# Allegro board BeagleBoard-X15_RevA2.brd (continued)
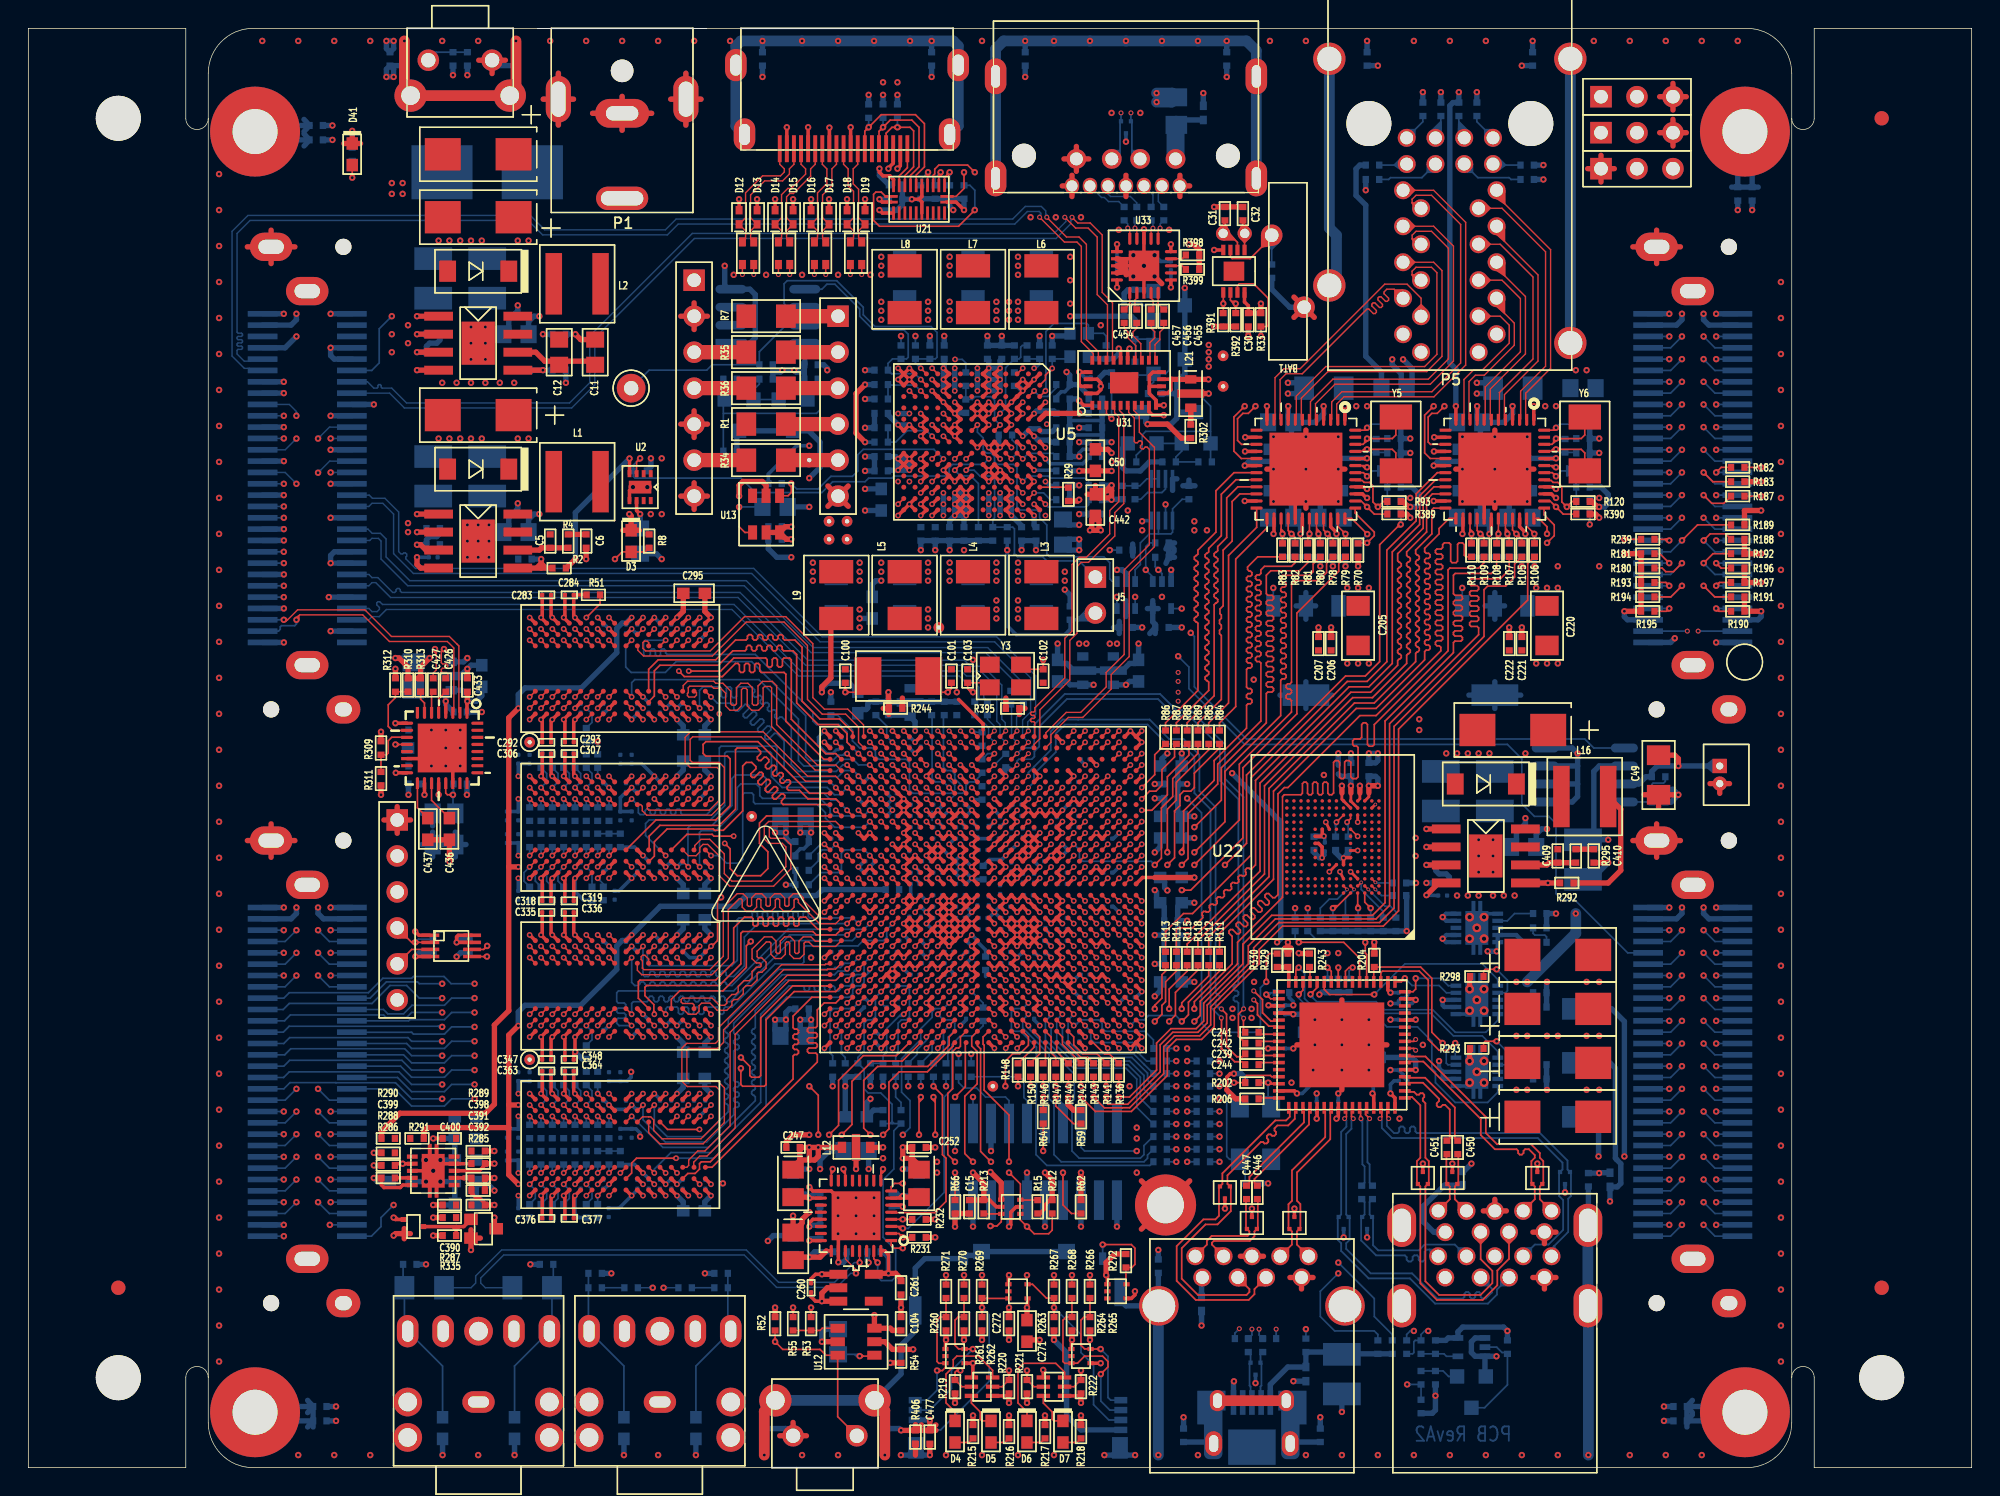
[diagram p0: board, top side]
## Nets (continued)
GND: BAT1.2(-) C2.2 C3.2 C4.2 C5.1 C6.2 C8.2 C9.2 C10.2 C12.2 C13.2 C14.2 C15.2 C16.1 C17.1 C18.1 C19.1 C20.1 C21.1 C22.1 C23.2 C24.1 C25.1 C26.1 C27.1 C28.1 C29.1 C30.2 C31.2 C32.2 C33.2 C34.2 C35.2 C36.2 C37.2 C38.2 C39.2 C40.2 C41.2 C42.2 C43.2 C44.2 C45.2 C46.2 C47.2 C48.2 C49.2 C50.2 C51.2 C52.1 C53.2 C54.2 C55.1 C56.1 C57.2 C58.1 C59.2 C60.1 C61.2 C62.1 C63.2 C64.2 C65.2 C66.1 C67.1 C68.2 C69.2 C70.2 C71.1 C72.1 C73.2 C74.2 C75.2 C76.2 C77.2 C78.1 C79.2 C80.2 C81.2 C82.2 C83.2 C84.2 C85.2 C86.2 C87.2 C88.1 C89.1 C90.2 C91.2 C92.1 C93.2 C94.2 C95.1 C96.1 C97.2 C98.1 C99.2 C104.2 C105.2 C108.2 C109.2 C110.2 C111.2 C112.2 C113.2 C114.2 C115.2 C116.2 C117.2 C118.2 C119.2 C120.2 C121.2 C122.2 C123.2 C124.2 C125.2 C126.2 C127.2 C128.2 C129.2 C130.2 C131.2 C132.2 C133.2 C134.2 C135.2 C136.2 C137.2 C138.2 C139.2 C140.2 C141.1 C142.2 C143.1 C144.2 C145.1 C146.2 C147.1 C148.2 C149.1 C150.2 C151.1 C152.2 C153.1 C154.2 C155.1 C156.2 C157.2 C158.2 C159.2 C160.2 C161.2 C162.2 C163.2 C164.2 C165.2 C166.2 C167.2 C168.2 C169.2 C170.2 C171.2 C172.2 C173.2 C174.2 C175.2 C176.2 C177.2 C178.2 C179.2 C180.2 C181.2 C182.2 C183.2 C184.2 C185.2 C186.2 C187.2 C188.2 C189.2 C190.2 C191.2 C192.2 C193.2 C194.2 C195.2 C196.2 C197.2 C198.2 C199.2 C200.2 C201.2 C202.2 C203.2 C204.2 C205.2 C206.2 C207.2 C208.2 C209.1 C210.2 C211.2 C212.2 C213.1 C214.2 C215.1 C216.1 C217.1 C218.1 C219.2 C220.2 C221.2 C222.1 C223.2 C224.1 C225.1 C226.2 C227.2 C228.1 C229.2 C230.1 C231.1 C232.1 C233.1 C234.2 C235.2 C236.2 C237.2 C238.2 C240.2 C243.2 C245.2 C246.2 C252.2 C253.2 C254.2 C257.2 C258.2 C259.2 C260.2 C261.2 C262.2 C263.1 C264.2 C265.2 C266.2 C267.1 C268.2 C269.2 C270.1 C271.2 C272.1 C273.2 C274.1 C275.2 C276.2 C279.2 C280.2 C283.2 C284.2 C285.2 C286.2 C287.2 C288.2 C289.2 C290.1 C291.2 C292.2 C293.2 C294.2 C295.2 C300.2 C301.2 C302.2 C303.2 C304.2 C305.2 C306.2 C307.2 C308.2 C309.2 C310.2 C311.2 C312.2 C315.2 C316.2 C317.1 C318.1 C319.2 C320.2 C321.2 C322.2 C323.2 C324.2 C325.2 C326.2 C327.2 C335.2 C336.2 C337.2 C338.2 C339.2 C340.2 C341.2 C344.2 C345.2 C346.2 C347.2 C348.2 C349.2 C350.2 C354.2 C355.2 C356.2 C357.2 C359.2 C360.2 C361.2 C363.2 C364.2 C365.2 C366.2 C367.2 C368.2 C369.2 C373.2 C374.2 C375.2 C376.2 C377.2 C378.2 C381.2 C382.2 C383.2 C384.2 C385.2 C386.2 C387.2 C389.2 C390.2 C391.2 C392.2 C393.2 C394.2 C395.2 C396.2 C397.2 C398.2 C399.2 C400.2 C402.2 C403.2 C404.2 C405.2 C406.2 C407.2 C408.2 C409.1 C410.2 C411.2 C412.2 C413.2 C414.2 C415.1 C419.2 C421.2 C428.2 C429.2 C430.2 C431.2 C432.2 C433.2 C434.2 C435.2 C436.2 C437.2 C438.2 C439.2 C440.2 C441.1 C442.2 C443.2 C445.2 C452.2 C453.2 C470.2 C471.2 C472.1 C473.1 C474.1 C475.1 C477.1 C478.2 C479.2 C481.2 C482.2 C483.2 C484.2 C485.2 C486.2 C487.2 C488.2 C489.2 C490.2 C491.2 C492.2 C493.2 C494.2 C495.2 C496.2 C497.2 C498.2 C499.2 C500.1 D1.2(ANODE) D2.2(ANODE) D3.1(C) D12.2(G) D13.2(G) D14.2(G) D15.2(G) D16.2(G) D17.2(G) D18.2(G) D19.2(G) D20.4(GND) D21.4(GND) D22.4(GND) D23.4(GND) D24.2(ANODE) D25.3(GND) D26.3(GND) D27.3(GND) D28.3(GND) D29.3(GND) D30.3(GND) D31.3(GND) D32.3(GND) D33.3(GND) D34.2(GND) D35.2(GND) D36.2(GND) D37.2(GND) D38.3(GND) D40.3(GND) D41.1(C) D42.2(GND) FB9.1 J1.2 J3.3 J4.3 J6.1 L10.2 L11.2 L12.2 L21.2 L22.2 L24.2 MH5.1(TP) P1.2 P1.MTG1 P1.MTG2 P2.7 P3.6 P4.4(TDIS) P4.8(GND.1) P4.10(GND.2) P4.12(GND.3) P4.16(GND.4) P4.20(GND.5) P5.10 P5.20 P6.4(GND1) P6.5(GND2) P6.8(GND3) P6.11(GND4) P7.5(G1) P10.1 P11.2(D2 SHIELD) P11.5(D1 SHIELD) P11.8(D0 SHIELD) P11.11(CK SHIELD) P11.17(GND) P12.6(VSS) P13.4(GND) P13.7(GNDD) P15.4(GND0) P15.7(GNDD0) P15.13(GND1) P15.16(GNDD1) P16.1 P16.2 P16.28 P16.30 P16.31 P16.32 P16.58 P16.60 P16.A2 P17.1 P17.2 P17.31 P17.32 P17.A2 P18.1 P18.2 P18.31 P18.32 P18.A2 P19.1 P19.4 P19.5 P19.9 P19.10 P19.13 P19.16 P19.19 P19.22 P19.23 P19.26 P19.29 P19.31 P19.32 P19.34 P19.37 P19.38 P19.41 P19.44 P19.47 P19.50 P19.51 P19.54 P19.57 P19.60 P19.A2 Q3.1(4) Q3.4 Q4.1(4) Q4.4 Q5.2(SOURCE) Q6.2(SOURCE) Q7.2(S) R5.1 R6.2 R11.2 R12.2 R14.1 R21.2 R22.2 R24.2 R26.2 R27.2 R28.1 R43.2 R47.2 R49.2 R50.2 R51.2 R54.1 R58.2 R66.2 R72.1 R73.1 R91.2 R92.1 R100.1 R116.2 R119.1 R180.2 R181.2 R183.2 R188.2 R190.2 R191.2 R192.2 R193.2 R194.2 R195.2 R200.1 R203.2 R205.2 R206.1 R207.1 R209.1 R219.2 R220.2 R221.2 R222.2 R231.2 R232.2 R236.2 R244.2 R274.2 R275.2 R276.2 R277.2 R278.2 R287.1 R293.1 R296.1 R297.2 R298.2 R299.2 R300.1 R311.2 R312.2 R319.1 R323.1 R328.2 R329.1 R331.1 R332.1 R333.2 R334.2 R384.2 R385.1 R386.1 R387.1 R395.2 R397.2 R400.1 R401.1 R402.1 R403.1 R404.2 R406.1 R410.2 R411.2 R416.2 R417.2 R421.2 R422.2 S1.1(A) S2.1(A) U1.7(GND) U1.9(PAD) U2.5(GND) U2.9(PWR_PAD) U3.7(GND) U3.9(PAD) U4.2(GND) U4.4(ADD0) U5.A1(SUB_GND_A1) U5.A4(REFGND1) U5.A7(GNDANA) U5.A13(SUB_GND_A13) U5.B2(GPADC_IN0) U5.B8(SYNC_TO_EXCLOCK) U5.B10(SUB_GND_B10) U5.B11(SUB_GND_B11) U5.C2(GPADC_IN1) U5.C3(GPADC_IN2) U5.C12(SMPS12_FBK_GND) U5.D4(SMPS7_GND_1) U5.D5(SMPS7_GND_2) U5.D6(SUB_GND_D6) U5.D7(SUB_GND_D7) U5.D10(SMPS1_GND_1) U5.E4(SMPS7_GND_3) U5.E7(VAC/ACOK) U5.E8(SUB_GND_E8) U5.E9(SMPS1_GND_2) U5.E10(SMPS1_GND_3) U5.F4(SMPS4_GND_1) U5.F5(AGND.1) U5.F6(SUB_GND_F6) U5.F7(SUB_GND_F7) U5.F9(SMPS2_GND_1) U5.F10(SMPS2_GND_2) U5.G4(SMPS4_GND_2) U5.G5(SMPS4_GND_3) U5.G7(SUB_GND_G7) U5.G10(SMPS2_GND_3) U5.H4(SMPS5_GND_1) U5.H5(SMPS5_GND_2) U5.H6(SUB_GND_H6) U5.H7(SUB_GND_H7) U5.H10(SMPS3_GND_1) U5.J4(SMPS5_GND_3) U5.J6(SUB_GND_J6) U5.J9(SMPS3_GND_2) U5.J10(SMPS3_GND_3) U5.K3(SMPS45_FDBK_GND) U5.L5(SMPS6_GND) U5.L6(SMPS6_GND_1) U5.L7(SMPS9_GND) U5.L8(SMPS9_GND_1) U5.L9(SMPS8_GND_1) U5.L10(SMPS8_GND) U5.M1(SUB_GND_M1) U5.M2(SUB_GND_M2) U5.M12(GND_DIG) U5.M13(AGND.2) U5.N1(SUB_GND_N1) U5.N2(VIO_GND) U5.N13(SUB_GND_N13) U6.4(VSS) U7.14(GND.1) U7.22(GND.2) U7.33(PWR_PAD) U8.1(A0) U8.2(A1) U8.3(NC) U8.4(VSS) U9.2(GND) U10.3(GND) U11.A1(VSS.9) U11.A2(VSS.11) U11.A6(VSS.15) U11.A14(VSS.41) U11.A23(VSS.68) U11.A28(VSS.79) U11.AA8(VSS.17) U11.AA9(VSS.19) U11.AA10(VSS.14) U11.AA11(VSSA_USB.2) U11.AA14(VSS.48) U11.AA15(VSS.51) U11.AA20(VSS.61) U11.AB11(VSSA_USB.1) U11.AB14(VSS.40) U11.AB20(VSS.60) U11.AD1(VSS.3) U11.AD10(VSSA_USB3) U11.AD13(VSSA_PCIE.1) U11.AD19(VSSA_HDMI.2) U11.AD24(VSS.70) U11.AE10(VSSA_SATA) U11.AE13(VSSA_PCIE.2) U11.AE19(VSSA_HDMI.1) U11.AG1(VSS.2) U11.AH1(VSS.1) U11.AH2(VSS.10) U11.AH8(VSS.53) U11.AH20(VSS.52) U11.AH28(VSS.75) U11.B1(VSS.8) U11.D13(VSS.39) U11.D19(VSS.59) U11.E13(VSS.38) U11.E19(VSS.58) U11.F1(VSS.7) U11.F7(VSS.54) U11.G7(VSS.57) U11.G8(VSS.65) U11.G9(VSS.66) U11.H12(VSS.33) U11.J12(VSS.32) U11.J15(VSS.XX) U11.J28(VSS.78) U11.K1(VSS.6) U11.K4(VSS.12) U11.K5(VSS.13) U11.K15(VSS.28) U11.K24(VSS.55) U11.K25(VSS.56) U11.L13(VSS.37) U11.L14(VSS.46) U11.M19(VSS.69) U11.N14(VSS.X5) U11.N15(VSS.16) U11.N19(VSS.18) U11.N24(VSS.72) U11.N25(VSS.74) U11.P28(VSS.77) U11.R1(VSS.5) U11.R12(VSS.29) U11.R13(VSS.X6) U11.R15(VSS.43) U11.R21(VSS.64) U11.T10(VSS.21) U11.T11(VSS.26) U11.T12(VSS.23) U11.T14(VSS.X7) U11.T15(VSS.42) U11.T17(VSS.47) U11.T18(VSS.24) U11.T21(VSS.27) U11.U14(VSSA_VIDEO) U11.U15(VSS.X8) U11.U17(VSS.X9) U11.U20(VSS.62) U11.U21(VSS.63) U11.V15(VSS.30) U11.V17(VSS.X10) U11.W1(VSS.4) U11.W15(VSS.36) U11.W24(VSS.71) U11.W25(VSS.73) U11.W28(VSS.76) U12.2(GND) U13.2(GND) U14.29(VSS) U14.49(P_GND) U15.29(VSS) U15.49(P_GND) U16.6(GND) U16.11(PAD) U17.65(PAD) U18.6(DVSS) U18.21(DRVSS) U19.2(GND) U19.3(ENN) U20.1(1\O\E\) U20.4(GND) U21.5(GND1) U21.13(GND2) U21.18(GND3) U22.C4(VSSQ4) U22.E7(VSS2) U22.G5(VSS1) U22.H10(VSS3) U22.K8(VSS4) U22.N2(VSSQ1) U22.N5(VSS5) U22.P4(VSSQ3) U22.P6(VSSQ2) U23.A9(VSS.1) U23.B1(VSSQ.1) U23.B3(VSS.2) U23.B9(VSSQ.2) U23.D1(VSSQ.3) U23.D8(VSSQ.4) U23.E1(VSS.3) U23.E2(VSSQ.5) U23.E8(VSSQ.6) U23.F9(VSSQ.7) U23.G1(VSSQ.8) U23.G8(VSS.4) U23.G9(VSSQ.9) U23.J2(VSSDL) U23.J8(VSS.5) U23.M1(VSS.6) U23.M9(VSS.7) U23.P1(VSS.8) U23.P9(VSS.9) U23.T1(VSS.10) U23.T9(VSS.11) U24.A9(VSS.1) U24.B1(VSSQ.1) U24.B3(VSS.2) U24.B9(VSSQ.2) U24.D1(VSSQ.3) U24.D8(VSSQ.4) U24.E1(VSS.3) U24.E2(VSSQ.5) U24.E8(VSSQ.6) U24.F9(VSSQ.7) U24.G1(VSSQ.8) U24.G8(VSS.4) U24.G9(VSSQ.9) U24.J2(VSSDL) U24.J8(VSS.5) U24.M1(VSS.6) U24.M9(VSS.7) U24.P1(VSS.8) U24.P9(VSS.9) U24.T1(VSS.10) U24.T9(VSS.11) U25.A9(VSS.1) U25.B1(VSSQ.1) U25.B3(VSS.2) U25.B9(VSSQ.2) U25.D1(VSSQ.3) U25.D8(VSSQ.4) U25.E1(VSS.3) U25.E2(VSSQ.5) U25.E8(VSSQ.6) U25.F9(VSSQ.7) U25.G1(VSSQ.8) U25.G8(VSS.4) U25.G9(VSSQ.9) U25.J2(VSSDL) U25.J8(VSS.5) U25.M1(VSS.6) U25.M9(VSS.7) U25.P1(VSS.8) U25.P9(VSS.9) U25.T1(VSS.10) U25.T9(VSS.11) U26.A9(VSS.1) U26.B1(VSSQ.1) U26.B3(VSS.2) U26.B9(VSSQ.2) U26.D1(VSSQ.3) U26.D8(VSSQ.4) U26.E1(VSS.3) U26.E2(VSSQ.5) U26.E8(VSSQ.6) U26.F9(VSSQ.7) U26.G1(VSSQ.8) U26.G8(VSS.4) U26.G9(VSSQ.9) U26.J2(VSSDL) U26.J8(VSS.5) U26.M1(VSS.6) U26.M9(VSS.7) U26.P1(VSS.8) U26.P9(VSS.9) U26.T1(VSS.10) U26.T9(VSS.11) U27.4(PGND) U27.8(GND) U27.11(PWRPAD) U28.7(GND) U28.9(PAD) U29.1(GND) U29.11(PAD) U30.1(GND) U30.11(PAD) U31.1(GND1) U31.10(GND2) U31.12(GND3) U31.14(GND4) U31.20(GND5) U31.25(GND6) U31.27(GND7) U32.5(GND1) U32.6(GND3) U32.7(GND2) U32.8(GND4) U33.3(GND1) U33.13(GND3) U33.17(GND5) U33.18(GND4) U33.19(GND2) U33.21(PAD) U34.4(GND) U42.1(NC) U42.3(GND) Y8.1 Y8.2(NC0) Y8.4(NC1) Y9.2(NC0) Y9.4(NC1)
GND_EARTH: C215.2 C216.2 C230.2 C231.2 C415.2 C419.1 C441.2 C472.2 C473.2 C474.2 C475.2 C477.2 D8.1 D9.1 D10.1 D11.1 MH1.1(TP) MH2.1(TP) MH3.1(TP) MH4.1(TP) P5.SHLD1 P5.SHLD2 P5.SHLD3 P5.SHLD4 P6.14(S1) P6.15(S2) P6.16(S3) P6.17(S4) P7.S1(G2) P7.S2(G3) P7.S3(G4) P7.S4(G5) P11.MTG1 P11.MTG2 P11.MTG3 P11.MTG4 P12.9(GND) P12.11(GND3) P12.12(GND4) P12.13(GND5) P12.14(GND6) P12.15(GND7) P12.16(GND8) P13.10(SHLD0) P13.11(SHLD1) P15.19(SHLD0) P15.20(SHLD1) P15.21(SHLD2) P15.22(SHLD3) R299.1 R300.2 R331.2 R332.2 R384.1 R385.2 R386.2 R387.2 R400.2 R401.2 R402.2 R403.2 R406.2 S1.3(B) S1.4(BB) S2.3(B) S2.4(BB)
GND_SIGNAL: C247.2 C248.2 C249.2 FB9.2 P8.1 P9.1 R226.2 R228.2 R234.2 R235.2 U18.17(AVSS_ADC) U18.26(AVSS_DAC) U18.33(PAD)
VBUS_DET: R413.2 R414.1 U11.B11(GPIO4_21)
VCC_SENSE: R30.2 U5.B3(VCC_SENSE)
VCC_SENSE2: R29.2 U5.A11(VCC_SENSE2)
VDD_1.1: C481.1 C482.1 C483.1 C484.1 C485.1 C486.1 C487.1 C488.1 C489.1 R201.1 U16.9(OUTB) U16.10(OUTA) U17.5(VDD1) U17.8(VDD2) U17.13(VDD3) U17.21(VDD4) U17.28(VDD5) U17.31(VDD6) U17.51(VDD7) U17.57(VDD8)
VDD_1V8: C47.1 C185.1 C186.1 C187.1 C188.1 C189.1 C190.1 C191.1 C192.1 C193.1 C194.1 C195.1 C196.1 L9.2 Q8.3(COLLECTOR) Q9.3(COLLECTOR) Q10.3(COLLECTOR) R302.2 R420.2 R425.2 R428.2 TP19.1 U5.L11(SMPS8_FDBK) U11.AA7(VDDS_MLBP.1) U11.AA18(VDDS18V_DDR1.1) U11.AA19(VDDS18V_DDR1.2) U11.G18(VDDS18V.8) U11.H17(VDDS18V.11) U11.J21(VDDS18V_DDR2.3) U11.J22(VDDS18V_DDR2.4) U11.M8(VDDS18V.9) U11.M9(VDDS18V.7) U11.N8(VDDS18V.4) U11.N21(VDDS18V_DDR2.2) U11.P8(VDDS18V.5) U11.P20(VDDS18V_DDR2.5) U11.P21(VDDS18V_DDR2.1) U11.R8(VDDS18V.3) U11.T8(VDDS18V.2) U11.V21(VDDS18V.12) U11.V22(VDDS18V.6) U11.W17(VDDS18V.10) U11.W18(VDDS18V.1) U11.W21(VDDS18V_DDR1.4) U11.Y7(VDDS_MLBP.2) U11.Y21(VDDS18V_DDR1.3) U35.3(ANODE) U43.3(ANODE) U44.3(ANODE)
VDD_3V3: C15.1 C30.1 C50.1 C81.1 C113.1 C114.1 C115.1 C116.1 C117.1 C118.1 C119.1 C120.1 C121.1 C122.1 C123.1 C124.1 C125.1 C126.1 C127.1 C128.1 C129.1 C130.1 C131.1 C132.1 C133.1 C134.1 C135.1 C136.1 C137.1 C138.1 C139.1 C263.2 C268.1 C269.1 C389.1 C470.1 C471.1 C490.1 C491.1 C492.1 C493.1 C494.1 FB3.1 FB7.1 J3.1 J4.1 J6.3 L12.1 L22.1 L23.1 P4.5(TVD) P16.A3 P17.A3 P18.A3 P19.A3 Q8.2(EMITTER) R8.1 R15.1 R16.1 R17.1 R32.1 R33.1 R37.2 R38.2 R45.1 R46.1 R48.1 R59.1 R62.1 R68.2 R69.2 R97.2 R98.2 R189.2 R196.2 R197.2 R204.2 R212.1 R213.1 R237.1 R243.1 R245.1 R246.1 R247.1 R248.1 R249.2 R286.1 R288.2 R294.1 R309.1 R310.1 R313.2 R321.1 R389.1 R390.1 R391.1 R392.1 R398.1 R399.1 R408.1 R415.1 R418.1 R419.1 U2.7(VOUT.2) U2.8(VOUT.1) U4.5(V+) U5.D9(VIO_IN) U6.8(VCC) U8.8(VCC) U11.AB6(VDDSHV7.1) U11.AB7(VDDSHV7.2) U11.AD5(VDDSHV6.2) U11.AD7(VDDSHV6.4) U11.AE7(VDDSHV6.3) U11.AF5(VDDSHV6.1) U11.B6(VDDSHV2.1) U11.B23(VDDSHV3.9) U11.C24(VDDSHV4.1) U11.D10(VDDSHV2.5) U11.D16(VDDSHV3.4) U11.D22(VDDSHV3.8) U11.E3(VDDSHV1.1) U11.E5(VDDSHV1.4) U11.E10(VDDSHV2.4) U11.E16(VDDSHV3.3) U11.E22(VDDSHV3.7) U11.G4(VDDSHV1.2) U11.G5(VDDSHV1.3) U11.G15(VDDSHV3.2) U11.H8(VDDSHV1.5) U11.H9(VDDSHV1.6) U11.H10(VDDSHV2.2) U11.H11(VDDSHV2.3) U11.H15(VDDSHV3.1) U11.H16(VDDSHV3.6) U11.H18(VDDSHV3.5) U11.H19(VDDSHV3.10) U11.J8(VDDSHV11.2) U11.K8(VDDSHV11.1) U11.N4(VDDSHV10.2) U11.N5(VDDSHV10.4) U11.P10(VDDSHV10.6) U11.R7(VDDSHV10.5) U11.R10(VDDSHV10.7) U11.T4(VDDSHV10.1) U11.T5(VDDSHV10.3) U11.U10(VDDSHV9.3) U11.W4(VDDSHV9.1) U11.W5(VDDSHV9.2) U16.1(INA) U16.2(INB) U16.4(BIAS) U16.5(EN) U17.16(VDD33_1) U17.34(VDD33_2) U17.52(VDD33_3) U17.63(VDD33_4) U20.7(2OE) U20.8(VCC) U21.23(VCCA) U22.C6(VCCQ4) U22.M4(VCCQ5) U22.N4(VCCQ3) U22.P5(VCCQ2) U27.10(VIN) U33.6(VCC1) U33.10(VCC4) U33.16(VCC2) U33.20(VCC3) U42.5(VCC)
VDD_3V3_ON: R10.1 U2.3(ON) U5.F8(REGEN1)
VDD_3V3_SP: C94.1 C97.1 C104.1 R32.2 R41.1 R42.1 R44.1 R52.1 R405.1 U9.5(VCC) U10.5(VCC) U12.6(VDD) U34.8(VCC)
VDD_CDC: C430.1 C431.1 C433.1 L22.3 U7.1(VDD2_OUT1) U7.4(VDD1_OUT0)
VDD_CORE: C54.1 C55.2 C56.2 C58.2 C60.2 C62.2 C65.1 C66.2 C67.2 C71.2 C72.2 P3.3 R36.2 TP18.1 U5.K6(SMPS6_FBK) U11.H13(VDD.18) U11.H14(VDD.22) U11.J17(VDD.X1) U11.J18(VDD.X2) U11.L7(VDD.34) U11.L8(VDD.15) U11.N10(VDD.6) U11.N13(VDD.16) U11.P11(VDD.9) U11.P12(VDD.12) U11.P13(VDD.X3) U11.R11(VDD.8) U11.R16(VDD.26) U11.R19(VDD.27) U11.T13(VDD.13) U11.T16(VDD.25) U11.T19(VDD.X7) U11.U8(VDD.29) U11.U9(VDD.2) U11.U13(VDD.3) U11.U16(VDD.X8) U11.V8(VDD.1) U11.V16(VDD.X9)
VDD_DDR: C38.1 C156.1 C157.1 C158.1 C159.1 C160.1 C161.1 C162.1 C163.1 C164.1 C165.1 C166.1 C167.1 C168.1 C169.1 C170.1 C171.1 C172.1 C173.1 C174.1 C175.1 C176.1 C177.1 C178.1 C179.1 C180.1 C181.1 C182.1 C183.1 C184.1 C277.2 C278.2 C281.2 C282.2 C283.1 C284.1 C285.1 C286.1 C287.1 C288.1 C289.1 C290.2 C291.1 C292.1 C293.1 C294.1 C295.1 C296.2 C297.2 C298.2 C299.2 C300.1 C301.1 C302.1 C303.1 C304.1 C305.1 C306.1 C307.1 C308.1 C309.1 C310.1 C311.1 C312.1 C313.2 C314.2 C315.1 C316.1 C317.2 C318.2 C319.1 C320.1 C321.1 C322.1 C323.1 C324.1 C325.1 C326.1 C327.1 C328.2 C329.2 C330.2 C331.2 C332.2 C333.2 C334.1 C335.1 C336.1 C337.1 C338.1 C339.1 C340.1 C341.1 C342.2 C343.2 C344.1 C345.1 C346.1 C347.1 C348.1 C349.1 C350.1 C351.2 C352.2 C353.2 C354.1 C355.1 C356.1 C357.1 C358.2 C359.1 C360.1 C361.1 C362.2 C363.1 C364.1 C365.1 C366.1 C367.1 C368.1 C369.1 C370.2 C371.2 C372.2 C373.1 C374.1 C375.1 C376.1 C377.1 C378.1 C379.2 C380.2 C381.1 C382.1 C383.1 C384.1 C385.1 C386.1 C387.1 C388.1 C391.1 C392.1 C393.1 C394.1 L5.2 R273.1 R285.1 TP16.1 U5.K13(SMPS3_FDBK) U11.AA21(VDDS_DDR1.4) U11.AA22(VDDS_DDR1.2) U11.AB21(VDDS_DDR1.3) U11.AB22(VDDS_DDR1.7) U11.AB24(VDDS_DDR1.10) U11.AB25(VDDS_DDR1.11) U11.AC22(VDDS_DDR1.6) U11.AD26(VDDS_DDR1.12) U11.AG20(VDDS_DDR1.9) U11.AG28(VDDS_DDR1.5) U11.AH27(VDDS_DDR1.13) U11.E24(VDDS_DDR2.9) U11.G22(VDDS_DDR2.5) U11.G23(VDDS_DDR2.6) U11.H20(VDDS_DDR2.1) U11.H21(VDDS_DDR2.11) U11.H22(VDDS_DDR2.4) U11.J27(VDDS_DDR2.12) U11.L20(VDDS_DDR2.8) U11.L21(VDDS_DDR2.3) U11.M20(VDDS_DDR2.13) U11.M21(VDDS_DDR2.2) U11.T24(VDDS_DDR2.7) U11.T25(VDDS_DDR2.10) U11.W16(VDDS_DDR1.1) U11.W27(VDDS_DDR1.8) U23.A1(VDDQ.1) U23.A8(VDDQ.2) U23.B2(VDD.1) U23.C1(VDDQ.3) U23.C9(VDDQ.4) U23.D2(VDDQ.5) U23.D9(VDD.2) U23.E9(VDDQ.6) U23.F1(VDDQ.7) U23.G7(VDD.3) U23.H2(VDDQ.8) U23.H9(VDDQ.9) U23.K2(VDDL) U23.K8(VDD.4) U23.N1(VDD.5) U23.N9(VDD.6) U23.R1(VDD.7) U23.R9(VDD.8) U24.A1(VDDQ.1) U24.A8(VDDQ.2) U24.B2(VDD.1) U24.C1(VDDQ.3) U24.C9(VDDQ.4) U24.D2(VDDQ.5) U24.D9(VDD.2) U24.E9(VDDQ.6) U24.F1(VDDQ.7) U24.G7(VDD.3) U24.H2(VDDQ.8) U24.H9(VDDQ.9) U24.K2(VDDL) U24.K8(VDD.4) U24.N1(VDD.5) U24.N9(VDD.6) U24.R1(VDD.7) U24.R9(VDD.8) U25.A1(VDDQ.1) U25.A8(VDDQ.2) U25.B2(VDD.1) U25.C1(VDDQ.3) U25.C9(VDDQ.4) U25.D2(VDDQ.5) U25.D9(VDD.2) U25.E9(VDDQ.6) U25.F1(VDDQ.7) U25.G7(VDD.3) U25.H2(VDDQ.8) U25.H9(VDDQ.9) U25.K2(VDDL) U25.K8(VDD.4) U25.N1(VDD.5) U25.N9(VDD.6) U25.R1(VDD.7) U25.R9(VDD.8) U26.A1(VDDQ.1) U26.A8(VDDQ.2) U26.B2(VDD.1) U26.C1(VDDQ.3) U26.C9(VDDQ.4) U26.D2(VDDQ.5) U26.D9(VDD.2) U26.E9(VDDQ.6) U26.F1(VDDQ.7) U26.G7(VDD.3) U26.H2(VDDQ.8) U26.H9(VDDQ.9) U26.K2(VDDL) U26.K8(VDD.4) U26.N1(VDD.5) U26.N9(VDD.6) U26.R1(VDD.7) U26.R9(VDD.8) U27.2(VLDOIN)
VDD_DSP: C51.1 C52.2 C53.1 C57.1 C59.1 C61.1 C63.1 C64.1 C68.1 C69.1 C70.1 C73.1 C74.1 C75.1 C76.1 C78.2 C79.1 C80.1 P3.2 R35.2 TP17.1 U5.K2(SMPS45_FDBK) U11.J13(VDD_DSP.7) U11.K10(VDD_DSP.8) U11.K11(VDD_DSP.9) U11.K12(VDD_DSP.10) U11.K13(VDD_DSP.11) U11.L10(VDD_DSP.2) U11.L11(VDD_DSP.4) U11.L12(VDD_DSP.12) U11.M10(VDD_DSP.1) U11.M11(VDD_DSP.5) U11.M12(VDD_DSP.3) U11.M13(VDD_DSP.6) U11.U11(VDD_GPU.5) U11.U12(VDD_GPU.6) U11.U18(VDD_IVA.1[ECO]) U11.U19(VDD_IVA.2[ECO]) U11.V10(VDD_GPU.2) U11.V11(VDD_GPU.3) U11.V14(VDD_GPU.7) U11.V18(VDD_IVA.3[ECO]) U11.V19(VDD_IVA.4[ECO]) U11.W10(VDD_GPU.1) U11.W11(VDD_GPU.4) U11.W13(VDD_GPU.8)
VDD_MPU: C77.1 C82.1 C83.1 C84.1 C85.1 C86.1 C87.1 C88.2 C89.2 C90.1 C91.1 C92.2 C93.1 P3.5 R34.2 R54.2 TP13.1 U5.B13(SMPS12_FBK) U11.K17(VDD_MPU.10) U11.K18(VDD_MPU.2) U11.L15(VDD_MPU.11) U11.L16(VDD_MPU.12) U11.L17(VDD_MPU.6) U11.L18(VDD_MPU.8) U11.L19(VDD_MPU.3) U11.M15(VDD_MPU.13) U11.M16(VDD_MPU.14) U11.M17(VDD_MPU.5) U11.M18(VDD_MPU.7) U11.N17(VDD_MPU.4) U11.N18(VDD_MPU.1) U11.P17(VDD_MPU.15) U11.P18(VDD_MPU.9) U11.R18(VDD_MPU.16) U12.5(SENSE1)
VDD_RTC: C28.2 C108.1 U5.A5(LDO9_OUT) U11.AB15(VDD_RTC)
VDD_SD: C21.2 C140.1 C271.1 C272.2 D20.1(VCC) D21.1(VCC) D22.1(VCC) D23.1(VCC) P12.4(VDD) Q10.2(EMITTER) R260.1 R261.1 R262.1 R263.1 R264.1 R265.1 R272.1 R426.1 R427.1 U5.C6(LDO1_OUT) U11.W8(VDDSHV8.2) U11.Y8(VDDSHV8.1)
VDD_SHV5: C22.2 C105.1 Q9.2(EMITTER) R423.1 R424.1 U5.B6(LDO2_OUT) U11.V12(VDDSHV5)
VDDA_1V8_PHYA: C24.2 C243.1 C245.1 L11.3 U5.K11(LDO3_OUT) U11.AA13(VDDA_USB1) U11.AB12(VDDA_USB2)
VDDA_1V8_PHYB: C500.2 L24.3 U5.K12(LDO4_OUT)
VDDA_1V8_PLL: C29.2 C99.1 L10.1 U5.B5(LDOLN_OUT) U11.AD16(VDDA_OSC.1) U11.AE16(VDDA_OSC.2)
VIN3A_CLKO: P16.50 U11.P1(VIN3X_CLKO)
VIN3A_D0: P16.51 R239.1 U11.M6(VIN3A_D0)
VIN3A_D1: P16.52 R189.1 U11.M2(VIN3A_D1)
VIN3A_D2: P16.16 R183.1 U11.L5(VIN3A_D2)
VIN3A_D3: P16.22 R188.1 U11.M1(VIN3A_D3)
VIN3A_D4: P16.15 R182.1 U11.L6(VIN3A_D4)
VIN3A_D5: P16.18 R187.1 U11.L4(VIN3A_D5)
VIN3A_D6: P16.53 R181.1 U11.L3(VIN3A_D6)
VIN3A_D7: P16.54 R180.1 U11.L2(VIN3A_D7)
VIN3A_D8: P16.23 R196.1 U11.L1(VIN3A_D8)
VIN3A_D9: P16.57 R195.1 U11.K2(VIN3A_D9)
VIN3A_D10: P16.56 R194.1 U11.J1(VIN3A_D10)
VIN3A_D11: P16.55 R193.1 U11.J2(VIN3A_D11)
VIN3A_D12: P16.24 R192.1 U11.H1(VIN3A_D12)
VIN3A_D13: P16.26 R191.1 U11.J3(VIN3A_D13)
VIN3A_D14: P16.27 R190.1 U11.H2(VIN3A_D14)
VIN3A_D15: P16.25 R197.1 U11.H3(VIN3A_D15)
VIN3A_D16: P16.36 U11.R6(VIN3A_D16)
VIN3A_D17: P16.43 U11.T9(VIN3A_D17)
VIN3A_D18: P16.12 U11.T6(VIN3A_D18)
VIN3A_D19: P16.42 U11.T7(VIN3A_D19)
VIN3A_D20: P16.10 U11.P6(VIN3A_D20)
VIN3A_D21: P16.13 U11.R9(VIN3A_D21)
VIN3A_D22: P16.6 U11.R5(VIN3A_D22)
VIN3A_D23: P16.45 U11.P5(VIN3A_D23)
VIN3A_DEO: P16.14 U11.N9(VIN3A_DEO)
VIN3A_FLD: P16.44 U11.P9(VIN3A_FLD)
VIN3A_HSYNC: P16.9 U11.N7(VIN3A_HSYNC)
VIN3A_VSYNC: P16.37 U11.R4(VIN3A_VSYNC)
VSSA_OSC0: C100.2 C101.2 R244.1 U11.AF15(VSSA_OSC0)
VSSA_OSC1: C102.2 C103.2 R395.1 U11.AC14(VSSA_OSC1) Y3.2(NC0) Y3.4(NC1)
74801SS: R200.2 U16.7(SS)
AIC_AVDD_DAC3.3: C248.1 C249.1 L13.2 U18.25(AVDD_DAC)
AIC_BCLK: R227.2 R231.1 U18.2(BCLK)
AIC_BCLKR: R227.1 U11.B18(MCASP3_ACLKX)
AIC_DIN: R225.2 R232.1 U18.4(DIN)
AIC_DINR: R225.1 U11.B19(MCASP3_AXR0)
AIC_DOUT: R229.2 U18.5(DOUT)
AIC_DOUTR: R229.1 U11.C17(MCASP3_AXR1)
AIC_DRVDD3.3: C257.1 C258.1 C259.1 L15.2 U18.18(DRVDD#18) U18.24(DRVDD#24)
AIC_DVDD: C261.1 C262.1 U18.32(DVDD) U19.5(OUT)
AIC_IOVDD3.3: C253.1 C254.1 L14.2 U18.7(IOVDD)
AIC_MCLK: R223.2 U18.1(MCLK)
AIC_MCLKR: R223.1 U11.D18(CLKOOUT2)
AIC_WCLK: R224.2 U18.3(WCLK)
AIC_WCLKR: R224.1 U11.F15(MCASP3_FSX)
AM_CAP0: C141.2 U11.Y15(CAP_VDDRAM_CORE3)
AM_CAP1: C143.2 U11.J19(CAP_VDDRAM_CORE2)
AM_CAP2: C145.2 U11.P19(CAP_VDDRAM_CORE4)
AM_CAP3: C147.2 U11.Y16(CAP_VDDRAM_CORE5)
AM_CAP4: C149.2 U11.K9(CAP_VBBLDO_DSP)
AM_CAP5: C151.2 U11.J9(CAP_VDDRAM_DSP2)
AM_CAP6: C153.2 U11.K19(CAP_VDDRAM_MPU2)
AM_CAP7: C155.2 U11.L9(CAP_VDDRAM_CORE1)
AM_CAP8: C142.1 U11.R20(CAP_VBBLDO_IVA)
AM_CAP9: C144.1 U11.Y14(CAP_VBBLDO_GPU)
AM_CAP10: C146.1 U11.J16(CAP_VBBLDO_MPU)
AM_CAP11: C148.1 U11.J10(CAP_VDDRAM_DSP)
AM_CAP12: C150.1 U11.T20(CAP_VDDRAM_IVA)
AM_CAP13: C152.1 U11.Y13(CAP_VDDRAM_GPU)
AM_CAP14: C154.1 R417.1 U11.K16(CAP_VDDRAM_MPU1)
AUDIN_L: R230.1 U18.14(IN2L)
AUDIN_R: R233.1 U18.16(IN2R)
AUDIN_RL: C256.1 R233.2
AUDIN_RR: C255.1 R230.2
AUDIO_L: C250.1 U18.27(LEFT_LOP)
AUDIO_R: C251.1 U18.29(RIGHT_LOP)
AUXFAN_EN: R24.1 U5.A12(GPIO_2/REGEN2) U32.1(EN)
B_UART3_RX: P10.4 R236.1 U20.2(1A)
B_UART3_TX: P10.5 U20.3(2Y)
BATEN0: R204.1 U17.36(PWRON1Z_BATEN1) U29.4(EN1)
BATEN1: U17.35(PWRON2Z_BATEN2) U29.5(EN2)
BATEN2: U17.33(PWRON3Z_BATEN3) U30.4(EN1)
BATEN3: U17.32(PWRON4Z_BATEN4) U30.5(EN2)
BU_BATT: BAT1.1(+) R416.1 U6.3(VBAT)
CDC_CAP1: C436.1 U7.19(REG_CAP1)
CDC_CAP2: C437.1 U7.17(REG_CAP2)
CDC_OE: R313.1 U7.7(OE)
CDC_OS1: R310.2 R312.1 U7.10(OS1)
CDC_OS2: R309.2 R311.1 U7.11(OS0)
CDC_OSCIN: C435.1 U7.21(XIN) Y8.3
CLKOUT3: P17.41 U11.C23(CLKOUT3)
CON.PCIE_RXN0: P19.25 U11.AG13(PCIE_RXN0)
CON.PCIE_RXN1: P19.18 U11.AG11(PCIE_RXN1)
CON.PCIE_RXP0: P19.24 U11.AH13(PCIE_RXP0)
CON.PCIE_RXP1: P19.17 U11.AH11(PCIE_RXP1)
CON.PCIE_TXN0: C423.2 P19.28
CON.PCIE_TXN1: C425.2 P19.21
CON.PCIE_TXP0: C422.2 P19.27
CON.PCIE_TXP1: C424.2 P19.20
CON_MMC1_CLK: D21.3(IO1) P12.5(CLOCK) R262.2 R269.2
CON_MMC1_CMD: D21.5(IO2) P12.3(CMD) R263.2 R267.2
CON_MMC1_DAT0: D20.5(IO2) P12.7(DAT0) R261.2 R270.2
CON_MMC1_DAT1: D20.3(IO1) P12.8(DAT1) R260.2 R271.2
CON_MMC1_DAT2: D22.5(IO2) P12.1(DAT2) R265.2 R266.2
CON_MMC1_DAT3: D22.3(IO1) P12.2(CD/DAT3) R264.2 R268.2
CONN_SATA_RXN: C418.2 U33.12(RX2N)
CONN_SATA_RXP: C420.2 U33.11(RX2P)
CONN_SATA_TXN: C417.2 U33.14(TX1N)
CONN_SATA_TXP: C416.1 U33.15(TX1P)
CPU_NMIN: R46.2 R47.1 U11.D21(NMIN)
CPU_POR_RESETN: R41.2 R53.2 U9.6(C)
CPU_RESETN: R42.2 R55.1 U10.1(B)
DCAN1_RX: P17.20 U11.G19(DCAN1_RX)
DCAN1_TX: P17.50 U11.G20(DCAN1_TX)
DDR1_A0: R364.1 U11.AD20(DDR1_A0) U23.N3(A0) U24.N3(A0)
DDR1_A1: R365.1 U11.AC19(DDR1_A1) U23.P7(A1) U24.P7(A1)
DDR1_A2: R371.1 U11.AC20(DDR1_A2) U23.P3(A2) U24.P3(A2)
DDR1_A3: R376.1 U11.AB19(DDR1_A3) U23.N2(A3) U24.N2(A3)
DDR1_A4: R366.1 U11.AF21(DDR1_A4) U23.P8(A4) U24.P8(A4)
DDR1_A5: R367.1 U11.AH22(DDR1_A5) U23.P2(A5) U24.P2(A5)
DDR1_A6: R381.1 U11.AG23(DDR1_A6) U23.R8(A6) U24.R8(A6)
DDR1_A7: R369.1 U11.AE21(DDR1_A7) U23.R2(A7) U24.R2(A7)
DDR1_A8: R383.1 U11.AF22(DDR1_A8) U23.T8(A8) U24.T8(A8)
DDR1_A9: R368.1 U11.AE22(DDR1_A9) U23.R3(A9) U24.R3(A9)
DDR1_A10: R373.1 U11.AD21(DDR1_A10) U23.L7(A10) U24.L7(A10)
DDR1_A11: R380.1 U11.AD22(DDR1_A11) U23.R7(A11) U24.R7(A11)
DDR1_A12: R379.1 U11.AC21(DDR1_A12) U23.N7(A12) U24.N7(A12)
DDR1_A13: R370.1 U11.AF18(DDR1_A13) U23.T3(A13) U24.T3(A13)
DDR1_A14: R382.1 U11.AE17(DDR1_A14) U23.T7(A14) U24.T7(A14)
DDR1_A15: R375.1 U11.AD18(DDR1_A15) U23.M7(NC.M7/A15) U24.M7(NC.M7/A15)
DDR1_BA0: R363.1 U11.AF17(DDR1_BA0) U23.M2(BA0) U24.M2(BA0)
DDR1_BA1: R377.1 U11.AE18(DDR1_BA1) U23.N8(BA1) U24.N8(BA1)
DDR1_BA2: R378.1 U11.AB18(DDR1_BA2) U23.M3(BA2) U24.M3(BA2)
DDR1_CASN: R361.1 U11.AC18(DDR1_CASN) U23.K3(CAS#) U24.K3(CAS#)
DDR1_CKE: R282.1 R333.1 U11.AG22(DDR1_CKE) U23.K9(CKE) U24.K9(CKE)
DDR1_CLK0: R284.1 U11.AG24(DDR1_CK) U23.J7(CK) U24.J7(CK)
DDR1_CLK0N: R283.1 U11.AH24(DDR1_NCK) U23.K7(CK#) U24.K7(CK#)
DDR1_CLK_TERM: C388.2 R283.2 R284.2
DDR1_CSN0: R362.1 U11.AH23(DDR1_CS0N) U23.L2(CS#) U24.L2(CS#)
DDR1_D0: U11.AF25(DDR1_D0) U23.E3(DQ0)
DDR1_D1: U11.AF26(DDR1_D1) U23.H3(DQ4)
DDR1_D2: U11.AG26(DDR1_D2) U23.F8(DQ3)
DDR1_D3: U11.AH26(DDR1_D3) U23.F7(DQ1)
DDR1_D4: U11.AF24(DDR1_D4) U23.G2(DQ6)
DDR1_D5: U11.AE24(DDR1_D5) U23.H7(DQ7)
DDR1_D6: U11.AF23(DDR1_D6) U23.F2(DQ2)
DDR1_D7: U11.AE23(DDR1_D7) U23.H8(DQ5)
DDR1_D8: U11.AC23(DDR1_D8) U23.D7(DQ8)
DDR1_D9: U11.AF27(DDR1_D9) U23.C3(DQ9)
DDR1_D10: U11.AG27(DDR1_D10) U23.A3(DQ15)
DDR1_D11: U11.AF28(DDR1_D11) U23.C8(DQ10)
DDR1_D12: U11.AE26(DDR1_D12) U23.B8(DQ14)
DDR1_D13: U11.AC25(DDR1_D13) U23.A2(DQ13)
DDR1_D14: U11.AC24(DDR1_D14) U23.C2(DQ11)
DDR1_D15: U11.AD25(DDR1_D15) U23.A7(DQ12)
DDR1_D16: U11.V20(DDR1_D16) U24.E3(DQ0)
DDR1_D17: U11.W20(DDR1_D17) U24.H8(DQ5)
DDR1_D18: U11.AB28(DDR1_D18) U24.F8(DQ3)
DDR1_D19: U11.AC28(DDR1_D19) U24.H7(DQ7)
DDR1_D20: U11.AC27(DDR1_D20) U24.H3(DQ4)
DDR1_D21: U11.Y19(DDR1_D21) U24.G2(DQ6)
DDR1_D22: U11.AB27(DDR1_D22) U24.F7(DQ1)
DDR1_D23: U11.Y20(DDR1_D23) U24.F2(DQ2)
DDR1_D24: U11.AA23(DDR1_D24) U24.D7(DQ8)
DDR1_D25: U11.Y22(DDR1_D25) U24.C3(DQ9)
DDR1_D26: U11.Y23(DDR1_D26) U24.A3(DQ15)
DDR1_D27: U11.AA24(DDR1_D27) U24.B8(DQ14)
DDR1_D28: U11.Y24(DDR1_D28) U24.A7(DQ12)
DDR1_D29: U11.AA26(DDR1_D29) U24.C8(DQ10)
DDR1_D30: U11.AA25(DDR1_D30) U24.A2(DQ13)
DDR1_D31: U11.AA28(DDR1_D31) U24.C2(DQ11)
DDR1_DQM0: U11.AD23(DDR1_DQM0) U23.E7(LDM)
DDR1_DQM1: U11.AB23(DDR1_DQM1) U23.D3(UDM)
DDR1_DQM2: U11.AC26(DDR1_DQM2) U24.E7(LDM)
DDR1_DQM3: U11.AA27(DDR1_DQM3) U24.D3(UDM)
DDR1_DQS0: U11.AH25(DDR1_DQS0) U23.F3(LDQS)
DDR1_DQS1: U11.AE27(DDR1_DQS1) U23.C7(UDQS)
DDR1_DQS2: U11.AD27(DDR1_DQS2) U24.F3(LDQS)
DDR1_DQS3: U11.Y28(DDR1_DQS3) U24.C7(UDQS)